# Altium PCB Gorilla OP pcb.PcbDoc (part 2 of 2)
Units mm, origin at the board's own origin, x right, y up, seen from the top; angles counter-clockwise.
Board outline 216.86 x 191.03 mm, 2 copper layers (Top Layer, Bottom Layer); 150 components, 99 nets, 680 pads, 97 vias.
Unrouted connection lines stored in the file: 1.
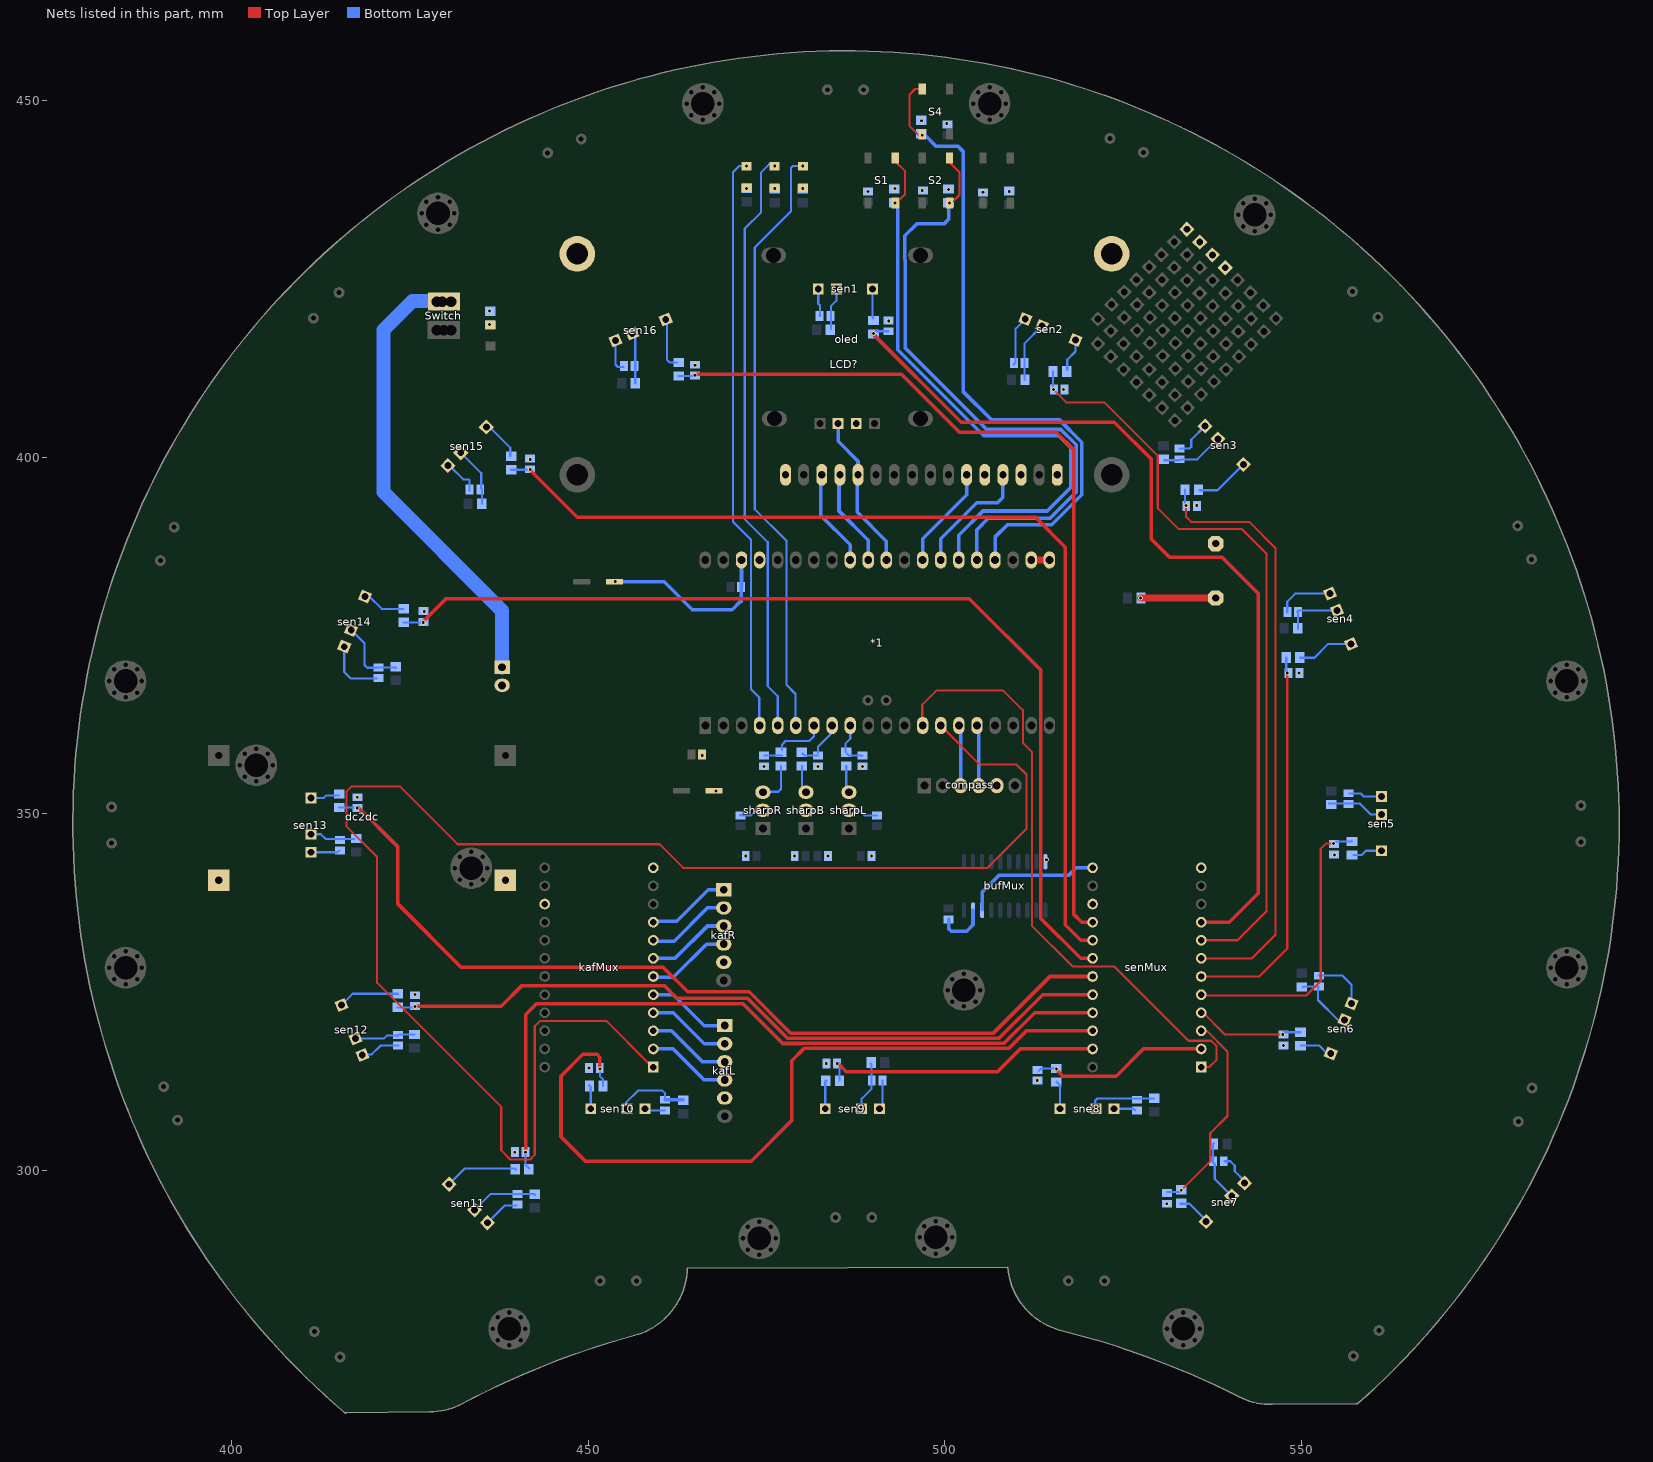
[diagram p2: the nets of this part, all layers, seen from the top]

## Via types
v1: diameter 0.7, hole 0.4, Top Layer to Bottom Layer, 97 vias

## Nets (pads, with @x,y where several pads share a name; then routed paths per layer and width w, separated by ;. In a path a pad name is that pad's centre, name@x,y a point inside that pad or via, vN(x,y) a via of type N, cw(c..) or ccw(c..) an arc to the next point about the centre after c; other vN are vias at no path point) (continued)
D5: *1.30 LCD?.12 oled.3 | length 21.8
  Bottom Layer w0.5: oled.3@485.013,404.749 485.013,402.209 487.807,399.415 LCD?.12@487.807,397.51 ; LCD?.12@487.68,397.256 487.68,392.303 491.784,388.199 *1.30@491.784,385.574
D6: *1.31 LCD?.13 | length 13.6
  Bottom Layer w0.5: LCD?.13@485.14,397.51 485.14,392.43 489.244,388.326 *1.31@489.244,385.574
D7: *1.32 LCD?.14 | length 13.6
  Bottom Layer w0.5: LCD?.14@482.6,397.51 482.6,391.795 486.704,387.691 *1.32@486.704,385.574
D+: bufMux.18 senMux.13 | length 19.3
  Bottom Layer w0.5: bufMux.18@505.206,336.55 505.206,338.963 507.619,341.376 517.398,341.376 518.414,342.392 senMux.13@520.7,342.392
DOWN: *1.24 r8.2 S4.2 | length 93.7
  Top Layer w0.3: S4.2@496.697,451.612 495.808,451.612 495.046,450.85 495.046,446.405 496.316,445.135 v1(496.824,445.135)
  Bottom Layer w0.5: r8.2@496.951,445.262 497.078,445.262 498.729,443.611 501.777,443.611 502.539,442.849 502.539,409.194 506.476,405.257 516.001,405.257 519.176,402.082 519.176,394.716 514.985,390.525 508.762,390.525 507.024,388.787 *1.24@507.024,385.574
EN: *1.28 LCD?.6 | length 14.5
  Bottom Layer w0.5: *1.28@496.864,385.574 496.864,388.533 503.047,394.716 LCD?.6@503.047,397.51
GND: *1.37 *1.38 Battry.2 bufMux.10 bufMux.19 C1.1 C2.2 C3.1 C4.2 c5.2 c7.2 c8.2 c9.2 C10.2 C11.2 C12.1 C13.1 C14.2 C15.2 C16.2 C17.2 C18.1 C19.2 c20.2 c21.2 c22.2 c23.2 c24.2 c25.2 c26.2 c27.2 c28.2 c29.2 c30.2 c31.2 c32.2 c33.2 c34.2 c35.2 c36.2 c37.2 c38.2 c39.2 c40.2 c41.2 c42.2 c43.2 c44.2 c45.2 c46.2 c47.2 c48.2 c49.2 c50.2 c51.2 compass.5 dc2dc.2 dc2dc.3 kafL.5 kafMux.12 kafMux.15 kafR.5 LCD?.1 LCD?.3 LCD?.5 LCD?.16 oled.2 pad.0@533.927,431.939 pad.0@535.723,430.143 pad.0@537.519,428.347 pad.0@539.315,426.551 r5.1 r6.1 r7.1 r8.1 R11.2 sen1.1 sen2.1 sen3.1 sen4.1 sen5.1 sen6.1 sen9.1 sen10.1 sen11.1 sen12.1 sen13.1 sen14.1 sen15.1 sen16.1 senMux.12 senMux.15 sharpB.2 sharpL.2 sharpR.2 sne7.1 sne8.1 U.- | length 125
  Bottom Layer w0.3: sen13.1@411.076,344.568 414.799,344.568 c32.2@415.036,344.805 ; sen14.1@415.76,373.404 415.76,369.862 416.687,368.935 c33.2@420.37,368.935 ; sen12.1@418.465,316.23 419.608,316.23 420.837,317.459 c31.2@423.329,317.459 ; sen15.1@430.295,398.806 430.504,398.806 432.435,396.875 433.197,396.875 433.324,396.748 c34.2@433.324,395.224 ; sen11.1@435.838,292.627 438.233,295.021 c30.2@439.928,295.021 ; sen16.1@453.803,416.353 453.803,412.972 454.152,412.623 c35.2@454.914,412.623 ; sen10.1@458.089,308.61 458.331,308.368 c29.2@460.756,308.368 ; C15.2@471.297,349.758 472.821,349.758 473.519,350.456 sharpR.2@474.472,350.456 ; sen1.1@482.236,423.568 482.236,421.496 482.473,421.259 482.473,419.829 c20.2@482.427,419.783 ; sharpL.2@486.664,350.393 488.061,350.393 488.708,349.746 C14.2@490.474,349.746 ; sen9.1@490.601,308.483 491.224,309.106 c28.2@491.224,312.547 ; c21.2@509.651,413.004 509.905,413.258 509.905,417.992 sen2.1@511.266,419.353 ; sne8.1@523.731,308.61 526.415,308.61 c27.2@526.669,308.356 ; c22.2@532.892,401.193 534.289,401.193 534.543,401.447 534.543,402.419 sen3.1@536.474,404.349 ; c26.2@539.242,301.244 540.004,301.244 540.639,300.609 540.639,299.847 542.017,298.469 sne7.1@542.017,298.17 ; c23.2@548.005,378.206 548.005,379.73 549.116,380.841 sen4.1@554.021,380.841 ; c25.2@552.45,327.279 555.752,327.279 557.021,326.01 sen6.1@557.021,323.378 ; c24.2@556.768,352.806 558.292,352.806 558.69,352.408 sen5.1@561.236,352.408
  Bottom Layer w0.5: v1(453.771,382.524) 460.629,382.524 464.566,378.587 470.154,378.587 471.297,379.73 ; 471.412,379.718 C1.1@471.412,381.762 ; C1.1@471.424,381.762 471.464,381.802 *1.38@471.464,385.574 ; C16.2@500.507,335.153 500.507,333.883 500.888,333.502 503.047,333.502 503.936,334.391 bufMux.19@503.936,336.452
  other v1: 531.114,295.275 439.674,302.514 512.953,312.547 450.088,314.325 483.362,314.96 547.497,317.5 425.704,324.612 514.223,343.535 472.059,344.043 478.917,344.043 483.616,344.043 489.712,344.043 554.609,344.17 417.576,352.298 467.868,353.187 474.599,356.616 482.219,356.616 488.442,356.616 465.963,358.14 549.656,369.697 426.974,378.333 535.305,393.192 441.833,399.669 516.636,409.448 464.947,412.877 492.125,419.1 436.118,420.497 505.333,437.134 489.204,437.261 509.016,437.261 496.824,437.388 500.507,437.515 493.014,437.642 500.253,446.786 496.697,447.167
KAF1: kafMux.9 kafR.1 | length 11.7
  Bottom Layer w0.5: kafMux.9@459.105,334.899 462.407,334.899 466.822,339.314 kafR.1@468.984,339.314
KAF2: kafMux.8 kafR.2 | length 11.8
  Bottom Layer w0.5: kafMux.8@459.105,332.105 462.026,332.105 466.695,336.774 kafR.2@468.984,336.774
KAF3: kafMux.7 kafR.3 | length 11.9
  Bottom Layer w0.5: kafMux.7@458.978,329.692 kafMux.7@459.105,329.692 462.153,329.692 466.695,334.234 kafR.3@468.984,334.234
KAF4: kafMux.6 kafR.4 | length 11.7
  Bottom Layer w0.5: kafMux.6@459.232,327.025 461.899,327.025 466.568,331.694 kafR.4@468.984,331.694
KAF5: kafL.1 kafMux.5 | length 11.9
  Bottom Layer w0.5: kafMux.5@458.978,324.612 kafMux.5@459.105,324.612 461.899,324.612 466.247,320.264 kafL.1@469.111,320.264
KAF6: kafL.2 kafMux.4 | length 11.9
  Bottom Layer w0.5: kafMux.4@458.978,322.072 kafMux.4@459.105,322.072 461.899,322.072 466.247,317.724 kafL.2@469.111,317.724
KAF7: kafL.3 kafMux.3 | length 11.8
  Bottom Layer w0.5: kafMux.3@459.105,319.532 461.645,319.532 465.993,315.184 kafL.3@469.111,315.184
KAF8: kafL.4 kafMux.2 | length 11.8
  Bottom Layer w0.5: kafMux.2@459.105,316.992 461.899,316.992 466.247,312.644 kafL.4@469.111,312.644
LED1: *1.4 led1.2 | length 81.3
  Bottom Layer w0.3: v1(472.186,440.817) 471.17,440.817 470.281,439.928 470.281,390.906 472.821,388.366 472.821,367.411 473.964,366.268 *1.4@473.964,362.458
LED2: *1.5 led2.2 | length 82.6
  Bottom Layer w0.3: 475.869,441.071 475.361,441.071 474.218,439.928 474.218,434.34 471.932,432.054 471.932,391.287 475.154,388.065 475.154,367.872 476.558,366.468 *1.5@476.558,362.35
  other v1: 476.123,440.817
LED3: *1.6 led3.2 | length 84.3
  Bottom Layer w0.3: *1.6@479.044,362.458 479.044,366.776 477.774,368.046 477.774,388.239 473.329,392.684 473.329,429.387 478.409,434.467 478.409,440.563 478.663,440.817 v1(480.06,440.817)
Net*1_21: *1.21 *1.22 | length 2.4
  Top Layer w1: *1.22@512.104,385.574 *1.21@514.475,385.574
NetBattry_1: Battry.1 Switch.2 | length 64.8
  Bottom Layer w2: Switch.2@430.149,421.894 425.323,421.894 421.259,417.83 421.259,395.097 437.896,378.46 Battry.1@437.896,370.523
Netc20_1: c20.1 r29.1 sen1.2 | length 5.9
  Bottom Layer w0.3: r29.1@483.997,417.957 483.997,421.132 484.776,421.911 sen1.2@484.776,423.568
Netc21_1: c21.1 r30.1 sen2.2 | length 8.3
  Bottom Layer w0.3: c21.1@511.172,413.16 511.172,410.848 r30.1@511.175,410.845 ; c21.1@511.175,413.385 511.175,415.943 sen2.2@513.613,418.381
Netc22_1: c22.1 r31.1 sen3.2 | length 8.8
  Bottom Layer w0.3: r31.1@530.733,399.542 532.892,399.542 533.019,399.669 535.385,399.669 sen3.2@538.27,402.553
Netc23_1: c23.1 r32.1 sen4.2 | length 8
  Bottom Layer w0.3: c23.1@549.402,378.333 549.564,378.495 sen4.2@554.993,378.495 ; c23.1@549.516,378.284 549.516,375.933 r32.1@549.529,375.92
Netc24_1: c24.1 r33.1 sen5.2 | length 8
  Bottom Layer w0.3: r33.1@553.847,351.409 558.165,351.409 559.706,349.868 sen5.2@561.236,349.868
Netc25_1: c25.1 r34.1 sen6.2 | length 9
  Bottom Layer w0.3: r34.1@550.164,325.628 550.303,325.767 c25.1@552.45,325.767 ; c25.1@552.323,325.628 552.323,323.85 555.142,321.031 sen6.2@556.049,321.031
Netc26_1: c26.1 r35.1 sne7.2 | length 8.6
  Bottom Layer w0.3: r35.1@537.718,303.784 537.591,303.657 537.591,301.117 537.845,300.863 537.845,298.751 sne7.2@540.221,296.374
Netc27_1: c27.1 r36.1 sne8.2 | length 9.5
  Bottom Layer w0.3: sne8.2@521.081,308.61 521.081,309.753 521.396,310.068 r36.1@529.336,310.068
Netc28_1: c28.1 r37.1 sen9.2 | length 7.2
  Bottom Layer w0.3: sen9.2@488.315,308.356 488.315,310.007 489.724,311.416 c28.1@489.724,312.547 489.724,314.821 r37.1@489.585,314.96
Netc29_1: c29.1 r38.1 sen10.2 | length 10.5
  Bottom Layer w0.3: sen10.2@455.295,308.737 455.295,309.499 456.946,311.15 460.375,311.15 460.756,310.769 c29.1@460.756,309.868
  Bottom Layer w0.5: c29.1@460.756,309.868 463.284,309.868 r38.1@463.296,309.88
Netc30_1: c30.1 r39.1 sen11.2 | length 9.4
  Bottom Layer w0.3: sen11.2@434.042,294.423 436.292,296.672 442.341,296.672 r39.1@442.468,296.545
Netc31_1: c31.1 r40.1 sen12.2 | length 8.6
  Bottom Layer w0.3: sen12.2@417.319,318.481 421.351,318.481 421.767,318.897 c31.1@423.164,318.897 ; c31.1@423.164,318.77 423.426,319.032 r40.1@425.615,319.032
Netc32_1: c32.1 r41.1 sen13.2 | length 6.4
  Bottom Layer w0.3: sen13.2@411.076,347.108 412.479,347.108 413.131,346.456 r41.1@417.195,346.456
Netc33_1: c33.1 r42.1 sen14.2 | length 10.1
  Bottom Layer w0.3: sen14.2@416.732,375.751 418.592,373.891 418.592,370.84 418.973,370.459 c33.1@420.37,370.459 ; c33.1@420.584,370.508 422.988,370.508 r42.1@423.037,370.459
Netc34_1: c34.1 r43.1 sen15.2 | length 8.4
  Bottom Layer w0.3: sen15.2@432.091,400.602 434.975,397.717 434.975,395.605 435.102,395.478 r43.1@435.102,393.446
Netc35_1: c35.1 r44.1 sen16.2 | length 7.2
  Bottom Layer w0.3: sen16.2@456.149,417.325 456.565,416.909 r44.1@456.565,410.337
Netled1_1: led1.1 R2.1
  other v1: 472.186,437.642
Netled2_1: led2.1 R3.1
  other v1: 476.123,437.642
Netled3_1: led3.1 R4.1
  other v1: 480.06,437.642
Netpower_2: power.2 R11.1
  other v1: 436.118,418.592
NetR1_2: R1.2 U.+ | length 10.5
  Top Layer w1: v1(527.431,380.238) 537.718,380.238 U.+@537.845,380.365
NetR9_2: R9.2 sharpL.3 | length 3.7
  Bottom Layer w0.3: R9.2@486.156,356.682 486.156,353.568 sharpL.3@486.537,353.187
NetR10_2: R10.2 sharpR.3 | length 5.9
  Bottom Layer w0.3: sharpR.3@474.472,353.06 476.631,353.06 477.012,353.441 R10.2@477.012,356.682
NetR12_2: R12.2 sharpB.3 | length 3.6
  Bottom Layer w0.3: R12.2@479.933,356.682 479.933,353.441 sharpB.3@480.187,353.187
Netr13_2: r13.2 sen1.3 | length 4.1
  Bottom Layer w0.3: sen1.3@489.856,423.568 489.856,419.591 r13.2@489.966,419.481
Netr14_2: r14.2 sen2.3 | length 4.7
  Bottom Layer w0.3: r14.2@517.144,412.242 517.144,413.639 518.306,414.801 sen2.3@518.306,416.437
Netr15_2: r15.2 sen3.3 | length 7.7
  Bottom Layer w0.3: r15.2@535.686,395.351 538.226,395.351 541.836,398.961 sen3.3@541.862,398.961
Netr16_2: r16.2 sen4.3 | length 8
  Bottom Layer w0.3: r16.2@549.783,371.856 551.815,371.856 553.761,373.802 sen4.3@556.937,373.802
Netr17_2: r17.2 sen5.3 | length 4.2
  Bottom Layer w0.3: r17.2@557.276,344.17 558.419,344.17 559.037,344.788 sen5.3@561.236,344.788
Netr18_2: r18.2 sen6.3 | length 4.7
  Bottom Layer w0.3: r18.2@549.91,317.5 552.45,317.5 553.612,316.338 sen6.3@554.105,316.338
Netr19_2: r19.2 sne7.3 | length 4.7
  Bottom Layer w0.3: r19.2@533.019,295.275 534.289,295.275 536.629,292.935 sne7.3@536.629,292.782
Netr20_2: r20.2 sne8.3 | length 4
  Bottom Layer w0.3: r20.2@515.62,312.42 516.111,311.929 sne8.3@516.111,308.61
Netr21_2: r21.2 sen9.3 | length 4
  Bottom Layer w0.3: sen9.3@483.218,308.61 483.218,312.403 r21.2@483.362,312.547
Netr22_2: r22.2 sen10.3 | length 3.4
  Bottom Layer w0.3: r22.2@450.088,311.912 450.325,311.675 sen10.3@450.325,308.61
Netr23_2: r23.2 sen11.3 | length 10.3
  Bottom Layer w0.3: sen11.3@430.45,298.015 432.663,300.228 439.674,300.228 r23.2@439.801,300.101
Netr24_2: r24.2 sen12.3 | length 8.3
  Bottom Layer w0.3: sen12.3@415.544,323.342 416.928,324.726 r24.2@423.253,324.726
Netr25_2: r25.2 sen13.3 | length 4.1
  Bottom Layer w0.3: sen13.3@411.076,352.188 412.894,352.188 413.258,352.552 r25.2@415.036,352.552
Netr26_2: r26.2 sen14.3 | length 6.1
  Bottom Layer w0.3: sen14.3@418.676,380.444 419.275,380.444 421.005,378.714 r26.2@424.053,378.714
Netr27_2: r27.2 sen15.3 | length 5.7
  Bottom Layer w0.3: sen15.3@435.683,404.194 436.165,404.194 439.039,401.32 r27.2@439.039,400.177
Netr28_2: r28.2 sen16.3 | length 7.3
  Bottom Layer w0.3: sen16.3@460.842,419.269 461.01,419.101 461.01,413.639 461.391,413.258 r28.2@462.407,413.258
OK: *1.26 r5.2 S1.2 | length 86
  Top Layer w0.3: S1.2@493.014,435.483 494.411,436.88 494.411,440.055 493.014,441.452 S1.2@493.014,441.96
  Bottom Layer w0.5: r5.2@493.014,435.737 493.395,435.356 493.395,415.036 505.46,402.971 516.001,402.971 517.652,401.32 517.652,395.732 514.35,392.43 505.333,392.43 501.944,389.041 *1.26@501.944,385.574
  other v1: 493.014,435.61
RS: *1.27 LCD?.4 | length 17.4
  Bottom Layer w0.5: *1.27@499.404,385.574 499.404,388.533 504.444,393.573 507.365,393.573 508.127,394.335 LCD?.4@508.127,397.51 LCD?.4@508.127,397.637
SCL: *1.15 compass.3 | length 8.7
  Bottom Layer w0.5: *1.15@501.904,362.458 502.188,362.174 compass.3@502.188,353.922
SDA: *1.16 compass.4 | length 8.2
  Bottom Layer w0.5: *1.16@504.317,361.95 504.728,361.539 compass.4@504.728,353.922
SEN1: c36.1 r13.1 senMux.9 | length 129.5
  Top Layer w0.5: v1@489.839,417.322 502.285,404.876 523.748,404.876 528.955,399.669 528.955,388.493 531.495,385.953 538.861,385.953 543.941,380.873 543.941,338.836 539.877,334.772 senMux.9@535.94,334.772
  Bottom Layer w0.3: r13.1@490.093,417.449 490.281,417.637 c36.1@492.091,417.637
  other v1: 489.966,417.322
SEN2: c37.1 r14.1 senMux.8 | length 107.4
  Top Layer w0.3: v1(515.239,409.448) 517.017,407.67 522.351,407.67 529.844,400.177 529.844,392.811 532.765,389.89 541.655,389.89 545.084,386.461 545.084,336.296 541.02,332.232 senMux.8@535.94,332.232
  Bottom Layer w0.3: c37.1@515.112,409.321 515.163,409.372 r14.1@515.163,412.007
SEN3: c38.1 r15.1 senMux.7 | length 84.2
  Top Layer w0.3: v1(533.781,393.192) 533.781,391.668 534.543,390.906 542.671,390.906 546.354,387.223 546.354,332.994 543.052,329.692 senMux.7@535.94,329.692
  Bottom Layer w0.3: r15.1@533.648,395.423 533.648,393.198 c38.1@533.654,393.192
SEN4: c39.1 r16.1 senMux.6 | length 54.2
  Top Layer w0.3: senMux.6@536.067,327.152 544.068,327.152 548.005,331.089 v1(548.005,369.697)
  Bottom Layer w0.3: r16.1@547.87,371.894 547.87,369.832 c39.1@547.878,369.824
SEN5: c40.1 r17.1 senMux.5 | length 40.8
  Top Layer w0.3: senMux.5@535.94,324.739 536.194,324.485 550.672,324.485 552.704,326.517 552.704,345.059 553.466,345.821 v1(554.482,345.821)
  Bottom Layer w0.3: c40.1@554.736,345.948 554.864,346.076 r17.1@557.087,346.076
SEN6: c41.1 r18.1 senMux.4 | length 15.2
  Top Layer w0.3: senMux.4@536.067,322.199 539.242,319.024 v1(547.37,319.024)
  Bottom Layer w0.3: c41.1@547.37,319.151 547.544,319.325 r18.1@549.859,319.325
SEN7: c42.1 r19.1 senMux.3 | length 29.4
  Top Layer w0.3: v1(533.146,297.18) 537.21,301.244 537.21,305.181 539.623,307.594 539.623,316.611 536.702,319.532 senMux.3@535.94,319.532 senMux.3@535.686,319.532
  Bottom Layer w0.3: c42.1@531.114,296.926 532.831,296.926 r19.1@533.146,297.241
SEN8: c43.1 r20.1 senMux.2 | length 25
  Top Layer w0.5: v1@515.493,314.198 516.509,313.182 524.002,313.182 527.812,316.992 senMux.2@535.94,316.992
  Bottom Layer w0.3: c43.1@513.207,313.944 513.522,314.259 r20.1@515.62,314.259
  other v1: 515.62,314.198
SEN9: c44.1 r21.1 senMux.23 | length 40
  Top Layer w0.5: v1@485.013,314.96 486.156,313.817 507.365,313.817 510.54,316.992 senMux.23@520.7,316.992
  Bottom Layer w0.3: v1(484.886,314.96) 485.201,314.645 r21.1@485.201,312.547
SEN10: c45.1 r22.1 senMux.22 | length 108
  Top Layer w0.5: v1(451.612,314.198) 451.612,315.849 451.231,316.23 449.199,316.23 446.151,313.182 446.151,304.673 449.58,301.244 472.821,301.244 478.536,306.959 478.536,315.341 480.314,317.119 509.016,317.119 511.429,319.532 senMux.22@520.7,319.532
  Bottom Layer w0.3: c45.1@451.612,314.071 451.612,313.182 452.054,312.74 r22.1@452.054,311.785
SEN11: c46.1 r23.1 senMux.21 | length 105.9
  Top Layer w0.5: v1@441.198,302.641 441.198,321.818 442.722,323.342 471.678,323.342 477.266,317.754 479.959,317.754 480.024,317.819 508.319,317.819 512.572,322.072 senMux.21@520.7,322.072
  Bottom Layer w0.3: c46.1@441.186,302.514 441.186,300.748 r23.1@441.706,300.228
  other v1: 441.198,302.514
SEN12: c47.1 r24.1 senMux.20 | length 104.2
  Top Layer w0.5: v1(425.704,322.961) 437.769,322.961 440.69,325.882 460.629,325.882 462.407,324.104 472.313,324.104 477.901,318.516 479.731,318.516 479.734,318.519 507.622,318.519 513.715,324.612 senMux.20@520.7,324.612
  Bottom Layer w0.3: r24.1@423.253,322.826 425.442,322.826 c47.1@425.577,322.961
SEN13: c48.1 r25.1 senMux.19 | length 126.5
  Top Layer w0.5: v1@417.703,350.901 423.291,345.313 423.291,337.312 432.181,328.422 460.502,328.422 463.931,324.993 472.567,324.993 478.344,319.216 479.441,319.216 479.444,319.219 506.798,319.219 514.731,327.152 senMux.19@520.7,327.152
  Bottom Layer w0.3: r25.1@415.059,350.84 417.383,350.84 c48.1@417.449,350.774
  other v1: 417.576,350.774
SEN14: c49.1 r26.1 senMux.18 | length 139.3
  Top Layer w0.5: v1@426.847,376.936 430.022,380.111 503.428,380.111 513.461,370.078 513.461,363.374 513.408,363.321 513.408,335.333 519.049,329.692 senMux.18@520.7,329.692
  Bottom Layer w0.3: r26.1@424.093,376.814 426.598,376.814 c49.1@426.847,377.063
  other v1: 426.847,376.809
SEN15: c50.1 r27.1 senMux.17 | length 139.8
  Top Layer w0.5: v1@441.833,398.145 448.437,391.541 512.699,391.541 516.89,387.35 516.89,334.391 519.049,332.232 senMux.17@520.7,332.232
  Bottom Layer w0.3: r27.1@439.173,398.218 441.633,398.218 c50.1@441.706,398.145
  other v1: 441.833,398.272
SEN16: c51.1 r28.1 senMux.16 | length 127.9
  Top Layer w0.5: v1@464.947,411.607 493.903,411.607 502.031,403.479 515.62,403.479 518.033,401.066 518.033,335.915 519.176,334.772 senMux.16@520.7,334.772
  Bottom Layer w0.3: r28.1@462.651,411.361 464.812,411.361 c51.1@464.82,411.353
  other v1: 464.947,411.48
SENK: *1.14 kafMux.1 | length 227.5
  Top Layer w0.3: kafMux.1@459.232,314.96 458.47,314.96 452.501,320.929 443.23,320.929 442.468,320.167 442.468,302.133 441.833,301.498 439.039,301.498 437.769,302.768 437.769,308.864 420.37,326.263 420.37,343.916 416.052,348.234 416.052,353.06 416.814,353.822 423.545,353.822 431.673,345.694 459.994,345.694 463.296,342.392 505.968,342.392 511.429,347.853 511.429,355.473 510.032,356.87 504.898,356.87 *1.14@499.418,362.35
SENU: *1.13 senMux.1 | length 86.7
  Top Layer w0.3: *1.13@496.824,362.839 496.824,365.252 498.856,367.284 508.127,367.284 510.921,364.49 510.921,359.918 512.191,358.648 512.191,334.264 517.906,328.549 523.748,328.549 534.162,318.135 537.337,318.135 538.099,317.373 538.099,315.468 537.083,314.452 senMux.1@535.94,314.452
SHARPB: *1.8 C18.2 R12.1 | length 6.9
  Bottom Layer w0.3: R12.1@480.06,358.394 480.324,358.13 C18.2@482.219,358.13 ; C18.2@482.219,358.521 482.219,359.41 484.178,361.369 *1.8@484.178,362.35
SHARPL: *1.9 C12.2 R9.1 | length 6.3
  Bottom Layer w0.3: R9.1@486.029,358.648 486.029,359.791 486.718,360.48 *1.9@486.718,362.35 ; R9.1@486.283,358.394 486.549,358.128 C12.2@488.442,358.128
SHARPR: *1.7 C13.2 R10.1 | length 9.8
  Bottom Layer w0.3: C13.2@474.599,358.13 477.129,358.13 R10.1@477.139,358.14 ; R10.1@477.139,358.902 477.139,359.664 477.647,360.172 480.949,360.172 481.638,360.861 *1.7@481.638,362.35
UP: *1.25 r6.2 S2.2 | length 89.2
  Top Layer w0.3: S2.2@500.634,441.96 500.634,441.325 502.031,439.928 502.031,436.753 S2.2@500.888,435.61
  Bottom Layer w0.5: r6.2@500.507,435.737 r6.2@500.507,435.676 500.507,433.324 499.872,432.689 496.062,432.689 494.383,431.01 494.383,427.642 494.411,427.614 494.411,415.29 505.841,403.86 516.255,403.86 518.414,401.701 518.414,395.097 514.731,391.414 506.095,391.414 504.484,389.803 *1.25@504.484,385.574
  other v1: 500.634,435.61
pads on no net: *1.1 *1.2 *1.10 *1.11 *1.33 *1.34 *1.35 *1.36 bufMux.6 bufMux.7 bufMux.8 bufMux.9 bufMux.11 bufMux.12 bufMux.13 bufMux.14 compass.1 compass.2 dc2dc.P Designator1.0 Designator2.0 Designator3.0 Designator4.0 Designator5.0 Designator6.0 Designator7.0 Designator8.0 Designator9.0 Designator10.0 Designator11.0 Designator12.0 Designator13.0 Designator14.0 Designator15.0 Designator16.0 kafMux.13 kafMux.16 kafMux.17 kafMux.18 kafMux.19 kafMux.20 kafMux.21 kafMux.22 kafMux.23 LCD?.0 LCD?.7 LCD?.8 LCD?.9 LCD?.10 oled.
copper on no net: | length 7.3
  Top Layer w0.3: 489.077,366.014 489.15,365.941 489.15,362.439 ; 491.69,362.439 491.69,366.087 491.744,366.141
  other v1: 430.022,321.437

## Polygon pours and split planes (outlines as drawn)
GND on Bottom Layer "Bottom Layer-No Net" (hatched 45Degree grid 0.5 track 0.203, remove dead copper, pour order 4): 379.189,329.746 377.538,348.796 379.189,367.465 384.142,385.753 392.016,402.771 402.811,418.265 416.273,431.727 431.767,442.522 448.785,450.523 467.073,455.349 485.869,456.873 504.665,455.349 522.953,450.396 539.971,442.395 555.338,431.6 568.8,418.265 579.595,402.771 587.596,385.753 592.549,367.465 594.073,348.669 592.422,329.873 587.596,311.585 579.595,294.567 568.8,279.073 557.624,267.643 554.048,267.416 529.251,273.529 509.618,282.883 508.602,286.566 463.644,286.439 460.885,280.026 441.725,272.209 416.71,266.248 402.811,279.073 392.338,294.669 384.382,311.73

## Keep-outs
Keep-Out Layer:
  lines w0.1: 415.822,266.048 427.747,266.152 ccw(c427.66,276.152) 432.337,267.313 ; 432.337,267.313 cw(c487.709,162.679) 456.477,276.867 ; 456.477,276.867 ccw(c453.839,286.513) 463.835,286.255 508.835,286.433 ccw(c518.802,287.239) 516.381,277.537 cw(c487.709,162.679) 541.247,268.263 ccw(c545.769,277.182) 545.857,267.183 557.781,267.287
  lines w0.254: 415.924,266.066 cw(c486.122,348.539) 557.783,267.334 ; 445.516,346.837 457.962,346.837 457.962,374.523 445.516,374.523 445.516,346.837 ; 478.536,320.04 493.268,320.04 493.268,340.106 478.536,340.106 478.536,320.04 ; 521.589,346.837 534.035,346.837 534.035,374.523 521.589,374.523 521.589,346.837

## Other copper
Top Layer:
  text "Naeem.A" at 446.786,332.613 h1.52
  text "oulum robotic" at 447.548,331.089 h1.52
Bottom Layer:
  text "Robotic" at 435.483,269.621 h1.52 r15
  text "Oulum" at 546.481,268.097 h1.52 r345

## Silkscreen, mask and mechanical layers (free items; w line width, h text height)
Top Overlay:
  drawing of 46252 lines, arcs and shapes, not listed
  text "GND" at 541.758,427.377 h1.52 r135
  text "3v3" at 545.465,423.672 h1.52 r135
  text "VCC" at 548.942,420.193 h1.52 r135
  text "ID: 2" at 568.96,407.797 h5 r304
  text "ID: 3" at 399.034,401.955 h5 r56.25
  text "- +" at 442.722,366.014 h2 r90
  text "V3" at 585.597,352.425 h3
  text "Gorilla" at 562.356,350.393 h8.5
  text "PCB Designed by:" at 545.084,307.467 h4
  text "Gorilla Team" at 544.83,304.038 h1.52
  text "in Oulum Robotic" at 544.83,301.498 h1.52
  text "This is not a pcb" at 465.455,299.085 h3
  text "#oulumroboticstyle" at 544.83,299.085 h2
  text "ID: 1" at 573.532,295.275 h5 r236.25
  text "ID: 4" at 403.86,288.163 h5 r124
Bottom Overlay:
  drawing of 14119 lines, arcs and shapes, not listed
  text "-> 30mm" at 480.314,445.77 h1.52
  text "o   + -" at 490.728,413.385 h1.52
  text "+  -" at 435.229,372.364 h5.4 r90
  text "Battery" at 440.817,363.347 h1.52
  text "Battery +" at 400.05,352.933 h4.4
  text "vcc +5" at 440.309,352.044 h5.4
  text "+ -" at 510.667,350.774 h1.52
  text "SCL" at 501.396,348.234 h1.52 r270
  text "SDA" at 504.063,348.234 h1.52 r270
  text "Battery -" at 400.05,335.153 h4.5
  text "GND" at 440.182,334.264 h5.4
  text "-" at 473.329,328.422 h1.52
  text "+" at 473.329,325.755 h1.52
  text "Kaf Out" at 466.852,313.055 h1.52
  text "Sensor out" at 544.322,313.055 h1.52
  text "-" at 473.71,309.372 h1.52
  text "+" at 473.71,306.705 h1.52
  text "-> 19mm" at 477.139,300.609 h1.52
  text "-> 29mm" at 447.294,288.417 h1.52
  text "-> 29mm" at 513.461,288.417 h1.52
Mechanical 1:
  circle w1.27: c502.666,325.247 r3.683
  circle w1.27: c385.088,328.384 r3.683
  circle w1.27: c385.088,368.592 r3.683
  circle w1.27: c428.906,434.169 r3.683
  circle w1.27: c466.052,449.556 r3.683
  circle w1.27: c506.26,449.556 r3.683
  circle w1.27: c587.224,368.592 r3.683
  circle w1.27: c587.224,328.384 r3.683
  circle w1.27: c543.424,433.947 r3.683
  circle w1.27: c498.729,290.576 r3.683
  circle w1.27: c473.964,290.449 r3.683
  circle w1.27: c438.888,277.747 r3.683
  circle w1.27: c533.424,277.747 r3.683
  lines w0.1: 415.822,266.048 cw(c415.818,266.548) 415.528,266.955 423.375,272.552 ccw(c421.052,275.809) 424.309,278.132 399.919,312.325 ccw(c396.663,310.002) 394.34,313.258 387.283,308.225 cw(c386.122,309.853) 384.253,309.14 cw(c486.092,347.996) 383.59,385.069 cw(c385.471,384.389) 386.604,386.037 393.748,381.128 ccw(c396.013,384.424) 399.31,382.158 423.099,416.772 ccw(c419.802,419.037) 422.068,422.334 414.924,427.244 cw(c416.057,428.892) 414.748,430.404 cw(c486.092,347.996) 555.987,431.637 cw(c554.704,430.102) 555.866,428.474 548.809,423.44 ccw(c551.132,420.184) 547.875,417.861 572.265,383.668 ccw(c575.521,385.991) 577.844,382.734 584.901,387.768 cw(c586.062,386.14) 587.931,386.853 cw(c486.092,347.996) 588.594,310.923 cw(c586.713,311.603) 585.58,309.955 578.436,314.865 ccw(c576.171,311.568) 572.874,313.834 549.085,279.221 ccw(c552.382,276.955) 550.116,273.658 558.06,268.199 cw(c557.777,267.787) 557.781,267.287

## Text inside footprints (layer, text, board x,y; h text height)
LCD?: Top Overlay "14" at 483.235,401.574 h1.27 r180; Top Overlay "1" at 515.747,401.32 h1.27 r180; Top Overlay "16" at 478.155,401.32 h1.27 r180; Top Overlay "LCD 16X2-A" at 519.049,429.006 h1.91 r180